# Altium PCB EVK-IRIS-W1.PcbDoc (part 5 of 9)
Units mm, origin at the board's own origin, x right, y up, seen from the top; angles counter-clockwise.
Board outline 94.11 x 129.93 mm, 6 copper layers (L1, L2, L3, L4, L5, L6), stack 1.547 mm thick; 619 components, 422 nets, 2042 pads, 1499 vias.
Unrouted connection lines stored in the file: 4.
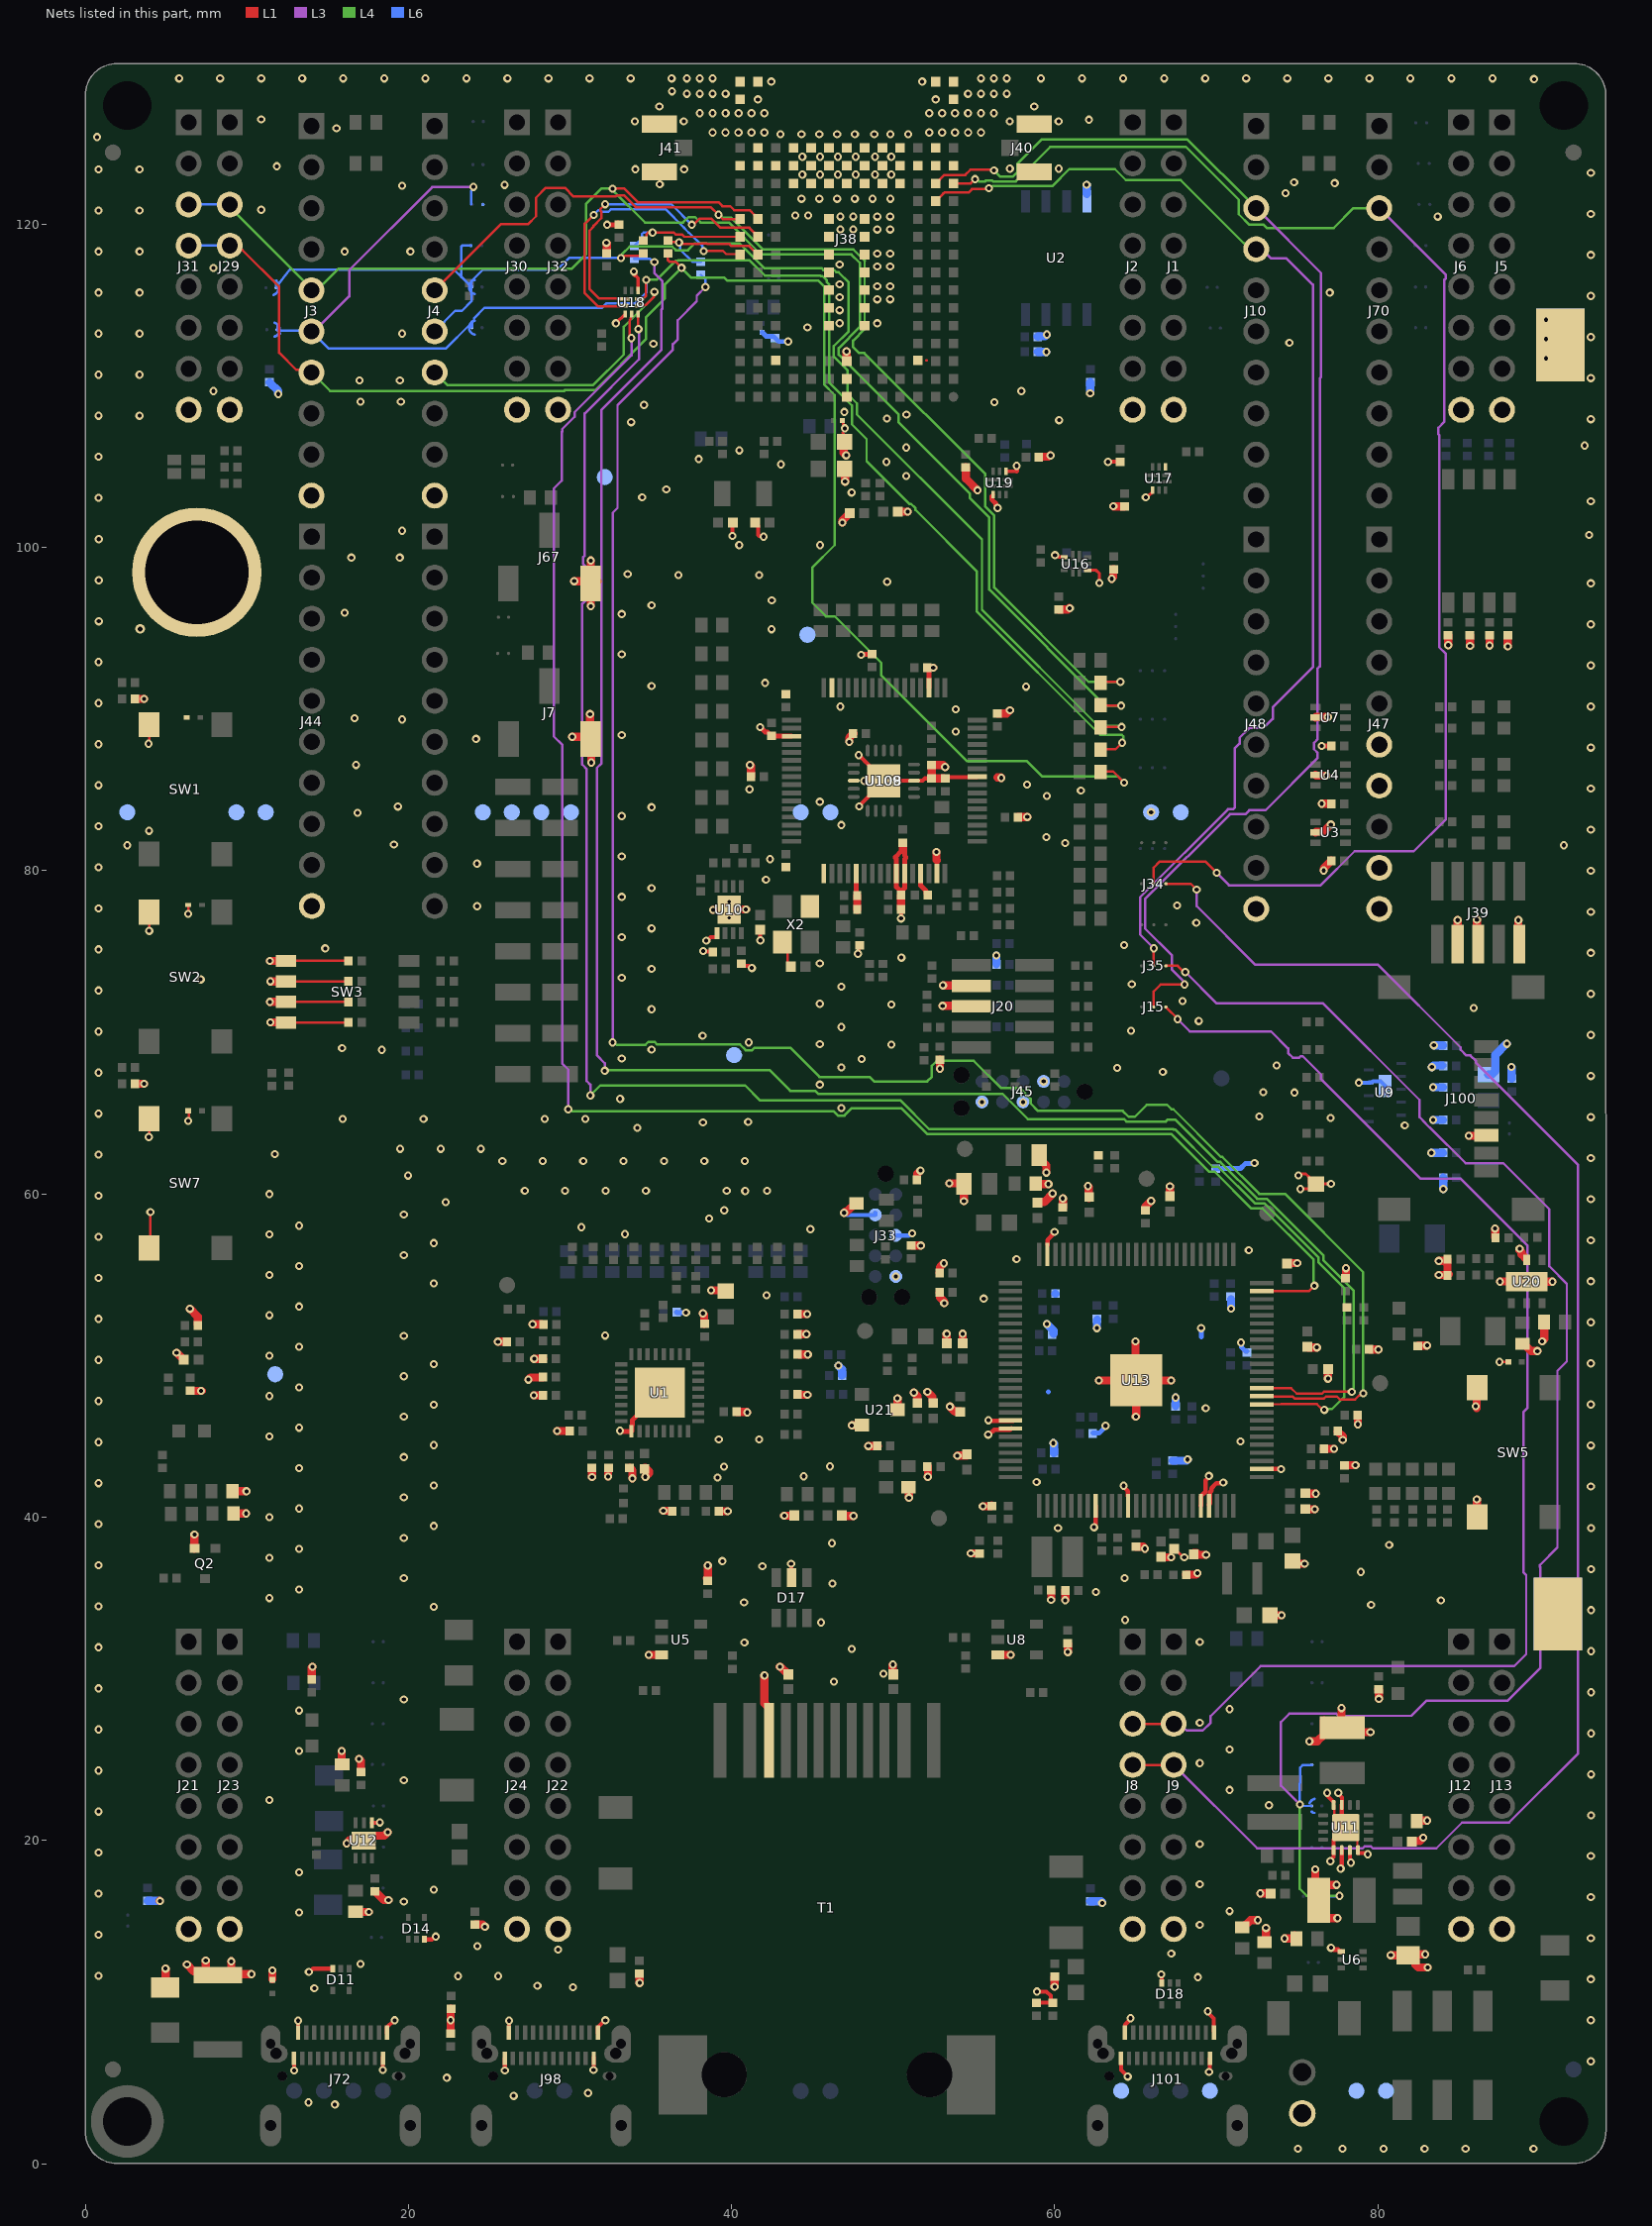
[diagram p9: the nets of this part, all layers, seen from the top]

## Via types
v1: diameter 0.508, hole 0.254, L1 to L6, 992 vias
v2: diameter 0.508, hole 0.254, L1 to L6, tented both sides, 288 vias
v3: diameter 0.5, hole 0.25, L1 to L6, 184 vias
v4: diameter 0.6, hole 0.3, L1 to L6, 27 vias
v5: diameter 0.5, hole 0.3, L1 to L6, 5 vias
v6: diameter 0.5, hole 0.2, L1 to L6, tented top, 2 vias
v7: diameter 0.6, hole 0.3, L1 to L6, tented both sides, 1 vias

## Nets (pads, with @x,y where several pads share a name; then routed paths per layer and width w, separated by ;. In a path a pad name is that pad's centre, name@x,y a point inside that pad or via, vN(x,y) a via of type N, cw(c..) or ccw(c..) an arc to the next point about the centre after c; other vN are vias at no path point) (continued)
GND: C1.2 C2.1 C3.2 C4.1 C5.1 C6.1 C7.1 C8.2 C9.2 C10.2 C11.2 C12.2 C13.2 C14.2 C15.2 C16.2 C17.2 C18.2 C19.1 C20.2 C21.2 C22.1 C23.2 C24.2 C25.2 C26.1 C27.1 C28.2 C29.2 C30.2 C31.2 C32.2 C33.2 C34.2 C35.2 C36.2 C37.2 C38.2 C39.2 C40.2 C41.2 C42.2 C43.2 C44.2 C45.2 C46.1 C47.2 C48.2 C49.2 C50.1 C51.2 C52.2 C53.2 C54.2 C55.2 C56.2 C57.2 C58.2 C59.2 C60.2 C61.2 C62.1 C63.2 C64.2 C65.2 C66.2 C67.2 C68.2 C69.2 C70.2 C71.2 C72.2 C73.2 C74.2 C75.2 C76.2 C77.2 C78.2 C79.2 C80.2 C81.2 C82.2 C83.2 C84.2 C85.2 C86.2 C87.2 C88.2 C89.2 C90.2 C91.2 C92.2 C93.2 C94.2 C95.1 C96.1 C97.2 C98.2 C99.2 C100.2 C101.2 C102.2 C103.2 C104.2 C105.2 C106.2 C107.2 C108.2 C109.2 C110.2 C111.2 C112.2 C113.2 C114.2 D1.2 D11.3 D14.3 D15.2 D17.2 D18.3 D21.2 D22.2 D23.2 FB3.1 J1.8 J2.8 J3.10 J4.10 J5.8 J6.8 J7.1 J8.8 J9.8 J12.8 J13.8 J20.3 J20.5 J21.8 J22.8 J23.8 J24.8 J29.8 J30.8 J31.8 J32.8 J33.3 J33.5 J33.9 J38.A15 J38.A19 J38.A20 J38.B15 J38.B16 J38.B20 J38.C3 J38.C15 J38.D14 J38.D15 J38.D16 J38.E14 J38.E15 J38.E16 J38.F5 J38.F6 J38.F7 J38.F8 J38.F9 J38.F10 J38.F11 J38.F14 J38.F15 J38.F16 J38.G1 J38.G2 J38.G3 J38.G14 J38.G15 J38.G16 J38.H5 J38.H6 J38.H7 J38.H8 J38.H9 J38.H10 J38.H11 J38.H14 J38.H15 J38.H16 J38.J14 J38.J15 J38.J16 J38.K14 J38.K15 J38.K16 J38.L3 J38.L15 J38.M15 J38.M16 J38.M20 J38.N15 J38.N19 J38.N20 J39.3 J39.5 J39.9 J40.2 J41.2 J42.1 J44.10 J45.3 J45.5 J45.9 J47.6 J47.7 J47.9 J47.10 J48.10 J67.1 J72.A1 J72.A12 J72.B1 J72.B12 J98.A1 J98.A12 J98.B1 J98.B12 J100.6 J101.A1 J101.A12 J101.B1 J101.B12 pad.4 Q2.2 R15.1 R27.2 R29.2 R30.2 R31.2 R47.1 R69.1 R80.1 R84.1 R92.2 R95.2 R96.1 R107.2 R109.1 R114.1 R118.1 R127.2 R129.2 R137.1 R150.2 R156.2 R157.2 R158.2 R161.2 R162.2 R163.2 R167.2 R169.2 R170.2 R171.2 R173.2 R180.1 R182.2 R183.1 R185.1 R187.1 R188.1 R189.1 R190.1 R191.1 R192.1 R193.1 R194.1 R195.1 R196.1 R201.1 R203.1 R205.2 R208.1 R212.2 R213.2 R214.2 R215.2 R219.2 R223.2 R228.1 R230.2 R232.1 R234.2 R236.1 R238.2 R240.1 R242.2 R245.1 R247.2 R250.1 R251.1 R253.1 R255.1 R257.1 R274.1 R287.1 R289.1 SW1.3 SW2.3 SW3.5 SW3.6 SW3.7 SW3.8 SW5.3 SW5.4 SW7.3 SW7.4 T1.10 TP2.1 TP4.1 TP6.1 TP7.1 TP8.1 TP9.1 TP10.1 TP11.1 TP12.1 TP13.1 TP14.1 TP15.1 TP16.1 TP18.1 TP19.1 TP20.1 TP21.1 TP24.1 TP33.1 TP101.1 TP102.1 TP103.1 TP104.1 U1.1 U1.33 U2.4 U3.2 U4.2 U5.3 U6.4 U7.2 U8.3 U9.9 U9.11 U10.5 U10.9 U11.5 U11.6 U11.7 U11.8 U11.15 U11.16 U11.EPAD U12.1 U12.7 U13.18 U13.19 U13.33 U13.37 U13.46 U13.47 U13.52 U13.99 U13.101 U16.3 U16.8 U17.3 U17.8 U18.3 U18.8 U19.3 U19.8 U20.2 U20.7 U21.2 U21.3 U108.1 U108.5 U108.10 U108.11 U108.13 U108.15 U108.25 U108.35 U108.47 U108.51 U109.3 U109.13 U109.21 X2.2 X2.4 | length 302.5
  L1 w0.15: v1(3.919,87.845) ccw(c3.919,87.882) 3.956,87.882 SW1.3@3.956,89.027 ccw(c3.956,88.989) SW1.3@3.919,88.989 ; SW7.4@3.956,56.656 4.035,56.735 v1(4.035,58.869) ; SW2.3@3.956,77.423 3.956,76.268 v1(3.959,76.268) ; v1@3.959,63.466 SW7.3@3.959,64.406 ; D1.2@6.321,65.086 cw(c6.382,65.086) D1.2@6.382,65.146 6.415,65.113 6.415,64.54 v1@6.448,64.507 ; v1(6.374,77.323) 6.382,77.323 D22.2@6.382,77.868 ; R15.1@6.975,51.91 R15.1@7.16,52.095 ; X2.2@43.146,75.569 43.463,75.253 43.463,74.263 C37.2@43.673,74.053 ; 46.873,107.082 C103.2@46.94,107.016 ; v1@46.914,107.425 46.914,107.625 ; C70.2@46.914,107.827 46.914,107.625 ; v1@46.971,107.568 46.914,107.625 ; v1(49.986,30.878) 49.986,30.288 C54.2@50.011,30.263 ; U11.16@77.263,22.191 77.298,22.156 77.298,21.507 U11.EPAD@77.763,21.041 ; U11.EPAD@78.013,20.791 78.729,20.075 78.729,19.426 U11.8@78.763,19.391 U11.8@78.762,19.39 ; J100.6@86.703,63.61 J100.6@86.903,63.61 ; v1(87.526,49.598) D15.2@88.071,49.598
  L1 w0.152: SW3.8@12.423,70.601 R213.2@16.3,70.601 ; SW3.7@12.423,71.871 R212.2@16.3,71.87 ; SW3.6@12.423,73.141 R214.2@16.3,73.141 ; SW3.5@12.423,74.411 R215.2@16.3,74.411 ; J38.L3@42.709,111.512 J38.L3@42.709,111.6 ; v1@43.48,112.715 v1(43.497,112.731) ; 52.065,111.562 52.07,111.557
  L1 w0.178: C66.2@67.392,38.079 67.955,37.516 v1(68.02,37.516) ; v1(75.081,61.138) 75.17,61.138 75.259,61.227 75.538,61.227 75.765,61 75.765,60.632 FB3.1@75.782,60.614 ; v1(75.208,60.3) 75.765,60.3 75.782,60.317 FB3.1@75.782,60.614 ; v1@77.086,60.614 FB3.1@75.782,60.614
  L1 w0.2: U19.3@56.096,103.161 U19.3@56.195,103.259 ; U19.8@56.995,104.709 57.649,104.709 ; v1(60.019,99.517) 60.102,99.517 60.22,99.399 60.572,99.399 U16.3@60.586,99.385 ; U16.8@62.036,98.585 62.564,98.585 62.76,98.389 v1(62.76,97.787)
  L1 w0.205: v1@32.864,113.882 U18.3@33.412,114.43 ; v1@34.007,116.865 34.212,116.66 U18.8@34.212,115.88 ; v1(65.632,103.099) 65.69,103.157 65.78,103.157 66.043,103.419 U17.3@66.043,103.533
  L1 w0.25: v1(13.841,11.862) 13.911,11.862 14.109,12.06 15.298,12.06 15.303,12.054 D11.3@15.323,12.054 ; v1@40.05,100.73 v1@40.078,100.759 ; v1@40.062,100.742 40.062,101.521 C73.2@40.074,101.533 ; C74.2@41.46,101.533 41.645,101.348 41.645,100.773 41.708,100.71 41.937,100.71 v1(41.986,100.66) ; v1@43.686,37.135 43.686,36.277 D17.2@43.712,36.251 ; R205.2@58.877,9.95 R203.1@59.881,9.95 59.747,10.085 59.747,10.381 59.485,10.643 v1(58.901,10.643) ; v1@63.341,105.288 C105.2@64.057,105.288 ; v1(76.859,22.936) 76.908,22.887 76.908,22.716 U11.16@77.258,22.366 ; v1@77.085,18.787 77.258,18.96 77.258,19.386 U11.5@77.263,19.391 77.263,20.041 U11.EPAD@78.013,20.791 77.763,21.041 U11.15@77.763,22.191 ; v1(77.545,22.936) 77.545,22.866 77.773,22.638 U11.15@77.773,22 ; v1@77.67,18.305 77.763,18.398 U11.6@77.763,19.391 ; U11.7@78.263,19.391 78.263,18.676 v1(78.325,18.615) v1@78.33,18.61 ; U11.8@78.768,19.216 79.229,19.216 79.302,19.143 v1(79.371,19.143) ; v1@90.778,54.559 v1@90.803,54.534
  L1 w0.254: v1(12.927,5.766) J72.B12@12.926,6.512 ; J72.A1@13.181,8.077 13.178,8.08 13.178,8.837 v1(13.181,8.839) ; U12.1@17.746,21.089 v1@18.221,21.089 ; v1(18.413,5.791) 18.42,5.797 18.42,6.577 J72.B1@18.418,6.579 ; J72.A12@18.668,8.052 18.668,8.419 19.113,8.865 v1(19.15,8.865) ; D14.3@20.993,13.868 21.443,13.868 21.621,14.046 v1(21.69,14.046) ; v1(25.972,5.766) J98.B12@25.971,6.512 ; J98.A1@26.226,8.077 26.223,8.08 26.223,8.837 v1(26.226,8.839) ; v1(31.458,5.791) 31.464,5.797 31.464,6.577 J98.B1@31.463,6.579 ; J98.A12@31.713,8.052 31.713,8.419 32.158,8.865 v1(32.195,8.865) ; v1(38.248,75.027) 38.28,74.994 38.817,74.994 R114.1@38.849,74.962 ; v1(38.435,75.67) 38.504,75.67 38.713,75.879 39.072,75.879 39.095,75.902 U10.5@39.095,76.127 ; C41.2@40.604,74.231 40.737,74.098 41.056,74.098 41.185,73.968 v1(41.254,73.968) ; C36.2@41.733,76.323 41.77,76.286 41.77,75.692 v1(41.779,75.683) ; v1(47.821,74.854) 47.87,74.903 47.87,75.417 R84.1@47.933,75.48 ; v1@47.876,87.141 47.893,87.141 48.239,86.795 48.239,86.778 U109.21@49.457,85.559 ; v1(47.894,83.966) 47.894,83.996 48.961,85.063 U109.21@49.457,85.559 ; C31.2@50.491,77.621 50.492,77.62 v1@50.492,77.034 ; C1.2@52.378,85.705 51.966,85.705 51.82,85.559 U109.13@51.291,85.559 U109.21@49.457,85.559 ; C38.2@53.115,85.705 53.196,85.786 55.184,85.786 U108.25@55.207,85.809 ; J101.B12@64.102,6.512 64.102,5.799 v1(64.516,5.385) ; J101.A1@64.359,8.129 64.359,8.597 64.694,8.932 v1(64.694,8.992) ; v1(66.597,11.709) 66.614,11.693 66.614,11.218 D18.3@66.623,11.209 ; v1(69.469,9.423) 69.469,9.355 69.843,8.98 69.843,8.177 J101.A12@69.847,8.173 ; v1(69.545,5.664) 69.593,5.712 69.593,6.503 J101.B1@69.602,6.512 ; v1(50.491,77.033) v1@50.492,77.034
  L1 w0.277: v1(55.876,45.102) 55.939,45.102 56.158,45.321 56.179,45.321 56.259,45.401 57.239,45.401 U13.19@57.321,45.483 ; v1(55.902,45.991) 55.927,45.965 U13.18@57.448,45.965 ; U13.99@59.544,56.839 59.544,57.15 59.991,57.597 v1(59.991,57.649) ; v1(62.432,39.37) 62.432,39.433 62.541,39.542 U13.33@62.541,40.702 ; v1(64.26,41.935) 64.26,41.873 64.537,41.596 U13.37@64.537,41.289 ; U13.46@69.041,40.702 69.044,40.706 69.044,41.289 69.324,41.569 69.324,42.263 69.544,42.482 v1(69.544,42.545) ; U13.47@69.541,40.702 69.544,40.706 69.544,40.814 69.591,40.814 69.617,40.84 69.617,41.547 69.696,41.626 69.696,41.795 69.996,42.094 70.388,42.094 v1(70.433,42.139) ; U13.52@73.402,42.974 73.408,42.968 v1(74.012,42.968)
  L1 w0.3: v1(77.093,13.352) 77.149,13.352 77.265,13.236 77.536,13.236 77.657,13.115 U6.4@77.732,13.115
  L1 w0.305: v1@32.331,119.956 32.919,119.956 32.959,119.995 32.959,120.057 R255.1@33.042,119.975 ; v1(33.095,45.339) 33.129,45.305 U1.1@33.802,45.305 33.825,45.328 33.825,45.66 33.85,45.685 33.85,45.988 U1.33@35.552,47.69 ; v1@34.007,116.865 v1@34.007,117.06 ; v1(41.762,88.878) 41.766,88.878 42.072,88.572 42.22,88.572 42.457,88.334 C60.2@42.472,88.334 42.497,88.309 U108.51@43.707,88.309 ; U108.5@47.707,79.809 47.707,78.532 47.775,78.465 C10.2@47.775,78.447 ; v1(48.016,93.344) 48.041,93.369 48.683,93.369 C21.2@48.707,93.393 ; C14.2@50.492,78.698 50.207,78.983 U108.10@50.207,79.809 50.205,79.812 50.205,80.715 50.14,80.78 50.14,80.835 50.492,81.187 50.492,81.623 50.6,81.73 50.615,81.73 50.723,81.623 50.723,80.942 50.775,80.835 50.775,80.78 50.71,80.715 50.71,79.812 U108.11@50.707,79.809 50.707,78.918 C14.2@50.492,78.703 ; U108.13@51.707,79.809 51.71,79.807 51.71,79.069 52.036,78.743 52.036,78.58 C35.2@52.143,78.473 ; C33.2@52.107,92.544 52.207,92.444 U108.35@52.207,91.309 ; U19.3@56.096,103.161 56.096,102.959 56.361,102.694 56.361,102.595 56.463,102.493 v1(56.463,102.438) ; 57.649,104.709 v1(57.649,105.035) ; v1@76.669,87.711 C75.2@77.107,87.711 C75.2@77.107,87.726 ; C76.2@77,84.237 77.095,84.142 C76.2@77.107,84.13 ; C77.2@77.107,80.607 C77.2@77.107,80.622
  L1 w0.406: C14.2@50.492,78.473 50.492,78.698 C14.2@50.492,78.703
  L1 w0.5: v1(85.617,63.593) J100.6@86.833,63.593
  L1 w0.501: C106.2@32.28,118.182 v1@32.28,118.813 ; v2(52.895,67.742) v2(52.895,67.742) 52.896,68.301 R118.1@52.902,68.307 ; R257.1@54.479,104.951 54.494,104.951 54.504,104.941 54.504,104.244 v1(55.218,103.53) ; C107.2@59.02,105.579 59.02,105.594 59.029,105.604 59.609,105.604 v1@59.712,105.706 ; R251.1@60.245,96.137 60.255,96.146 60.794,96.146 v1@60.906,96.257 ; v1(62.197,109.531) v1@62.199,109.532 ; v1(63.521,98.052) 63.521,98.054 63.623,98.156 63.623,98.633 63.633,98.642 C104.2@63.648,98.642 ; v1(63.625,102.54) 63.627,102.54 63.643,102.524 64.302,102.524 R253.1@64.311,102.514 ; v2(84.35,93.946) R31.2@84.35,94.55 ; J39.3@84.936,75.444 v2(84.936,76.937) ; v2(85.696,93.895) R30.2@85.696,94.55 ; v2(86.13,76.962) 86.131,76.961 86.131,75.519 J39.5@86.206,75.444 ; v2(86.915,93.921) R29.2@86.915,94.55 ; v2(88.033,93.87) R27.2@88.033,94.55 ; v2(88.695,76.937) 88.697,76.935 88.697,75.493 J39.9@88.746,75.444
  L1 w0.508: R129.2@3.097,66.814 v1(3.646,66.814) ; R127.2@3.097,90.626 v1(3.646,90.626) ; v1@4.619,16.251 v1(4.622,16.248) ; v1(4.972,12.068) 4.972,11.274 4.975,11.271 R137.1@4.997,11.271 ; v1(5.649,50.169) 5.677,50.169 C9.2@6.108,49.738 ; v1(6.298,12.319) 6.712,11.905 7.092,11.905 C50.1@7.165,11.831 ; v1(6.482,52.886) 6.969,52.399 6.969,51.931 R15.1@6.981,51.931 ; C8.2@6.507,47.813 6.513,47.807 7.159,47.807 v1(7.163,47.803) v1@7.211,47.803 ; Q2.2@6.763,38.051 v1(6.763,38.915) ; C50.1@7.461,11.768 v1(7.461,12.562) ; C50.1@9.036,11.717 v1(9.036,12.511) ; R107.2@9.092,40.225 v1(9.956,40.225) ; R109.1@9.115,41.597 v1(9.979,41.597) ; C50.1@9.342,11.726 9.347,11.721 v1(10.285,11.721) ; v1(11.431,71.873) SW3.7@12.455,71.873 ; v1(11.431,74.413) SW3.5@12.455,74.413 ; v1(11.456,73.144) SW3.6@12.48,73.144 ; v1(11.463,70.604) SW3.8@12.488,70.604 ; D23.2@11.582,11.405 v1(11.582,11.954) ; 14.026,30.212 14.026,30.69 v1(14.07,30.734) ; C19.1@15.873,24.816 v1(15.873,25.527) ; v1(16.178,19.812) 16.4,20.034 U12.7@16.719,20.034 ; v1(16.94,25.044) 17.067,24.917 C29.2@17.067,24.225 ; C22.1@17.023,15.538 17.055,15.57 v1(17.55,15.57) ; U12.7@17.243,19.986 17.539,20.282 18.502,20.282 v1(18.718,20.498) ; C17.2@17.941,16.841 18.475,16.307 v1(18.769,16.307) ; R95.2@22.612,8.037 22.612,9.568 22.618,9.574 R96.1@22.631,9.574 ; C46.1@24.167,14.808 24.586,14.808 v1(24.738,14.656) ; v1(25.545,50.851) R161.2@26.094,50.851 ; v1(27.428,48.505) 27.56,48.637 28.318,48.637 R169.2@28.318,48.649 ; v1(27.691,51.926) R173.2@28.24,51.926 ; v1(27.766,47.532) R170.2@28.315,47.532 ; v1(27.785,49.792) R162.2@28.334,49.792 ; v1(29.206,45.33) C42.2@29.9,45.33 ; v2(30.137,88.278) J7.1@31.315,88.278 ; v2(30.263,97.904) J67.1@31.289,97.904 ; v2(31.238,89.679) 31.238,88.427 J7.1@31.289,88.376 ; v2(31.289,96.359) J67.1@31.289,97.904 ; v2(31.289,99.178) J67.1@31.289,97.904 ; v2(31.315,86.682) J7.1@31.315,88.035 ; v1(31.367,42.475) C12.2@31.367,42.976 ; J67.1@31.695,97.904 J67.1@31.289,97.904 ; v1(32.358,42.501) C11.2@32.358,43.002 ; C23.2@33.684,43.051 33.699,43.051 33.857,42.894 v1(33.857,42.393) ; C7.1@34.294,11.741 34.308,11.741 34.314,11.735 v1(34.314,11.176) ; C15.2@34.617,43.051 34.623,43.045 34.671,43.045 34.89,42.826 34.89,42.715 v1(34.669,42.494) ; v1(34.873,31.471) 35.679,31.471 U5.3@35.681,31.469 ; v1(35.773,40.386) C26.1@36.274,40.386 ; v1(38.225,52.603) 38.304,52.525 38.304,51.957 38.31,51.951 C25.2@38.325,51.951 ; C39.2@38.466,36.2 38.53,36.264 v1(38.53,37.008) ; v1(38.733,54.026) C69.2@39.495,54.026 ; v1(38.857,77.567) 39.795,77.567 39.845,77.617 39.87,77.592 v1(40.889,77.592) ; C27.1@39.262,40.361 v1(39.763,40.361) ; R150.2@40.325,46.524 40.325,46.509 40.331,46.503 40.937,46.503 v1(40.967,46.473) ; v1(41.144,86.529) 41.203,86.471 41.203,85.819 C28.2@41.209,85.813 ; v1(42.035,30.201) 42.035,28.477 42.332,28.181 T1.10@42.332,26.186 ; v1@42.975,30.734 v1(42.995,30.734) 43.037,30.734 C55.2@43.509,30.263 ; v1(43.261,40.089) C52.2@43.81,40.089 ; R171.2@44.086,51.318 v1(44.635,51.318) ; R163.2@44.136,52.555 v1(44.685,52.555) ; R158.2@44.143,47.569 v1(44.692,47.569) ; R157.2@44.168,50.058 v1(44.717,50.058) ; v1(46.861,101.524) 46.861,101.659 C68.2@47.305,102.103 47.32,102.118 C68.2@47.344,102.118 ; C103.2@46.927,106.274 46.927,105.853 v1(47.09,105.689) ; v1(46.963,58.826) 47.028,58.891 47.129,58.891 47.674,59.436 R182.2@47.884,59.436 ; C102.2@46.963,104.623 47.007,104.623 47.025,104.604 v1(47.025,104.064) ; C62.1@46.992,40.073 v1(47.541,40.073) ; v1(47.115,112.116) 47.115,111.528 J38.G3@47.131,111.512 ; v1(47.289,87.963) 47.289,88.22 C34.2@47.543,88.474 ; v1(47.446,45.669) U21.2@48.024,45.669 ; C30.2@47.775,77.584 C10.2@47.775,78.447 ; v1(48.462,44.399) C92.2@49.027,44.399 C92.2@49.04,44.399 ; U109.21@48.961,84.798 48.961,85.063 U109.21@48.961,85.515 ; C54.2@49.972,30.268 v1@49.972,30.851 ; U21.3@50.265,46.767 v1(50.265,47.346) ; C67.2@50.331,102.21 v1(50.9,102.21) ; C31.2@50.492,77.609 C14.2@50.492,78.473 ; R196.1@50.925,41.873 50.976,41.822 v1(50.976,41.199) ; R183.1@51.16,56.794 v1(51.713,56.794) ; v1(51.281,47.701) 51.495,47.487 C88.2@51.495,47.128 ; C91.2@51.478,60.858 51.484,60.864 51.484,61.239 v1@51.662,61.417 ; C33.2@52.104,92.544 C33.2@52.107,92.544 v1(52.482,92.544) ; v1(52.119,47.752) 52.435,47.436 C87.2@52.435,47.179 ; v1(52.145,42.494) 52.151,42.501 R192.1@52.151,43.126 ; v1(52.684,81.157) 52.684,80.654 52.707,80.631 ; R193.1@52.886,53.883 52.892,53.877 52.892,53.586 53.161,53.317 v1(53.161,53.238) ; R191.1@52.886,55.109 52.892,55.115 52.892,55.459 v1(53.135,55.702) ; v1(53.059,71.628) 54.817,71.628 J20.5@54.843,71.603 ; v1(53.084,72.898) 54.817,72.898 J20.3@54.843,72.873 ; C38.2@53.115,85.705 C1.2@52.378,85.705 R92.2@52.378,86.531 52.384,86.525 53.098,86.525 v1(53.218,86.405) ; C65.2@53.313,50.761 v1(53.313,51.34) ; v1(53.474,60.653) C43.2@54.362,60.653 ; v1(53.516,46.838) 53.822,46.531 C63.2@54.149,46.531 ; v1(53.973,43.79) 53.986,43.803 54.561,43.803 C59.2@54.567,43.809 ; C64.2@54.304,50.761 v1(54.304,51.34) ; v1(54.382,59.546) C43.2@54.382,60.434 ; v1(54.806,37.751) R195.1@55.345,37.751 ; v1(55.548,40.665) 56.061,40.665 R180.1@56.101,40.705 ; 56.443,85.754 56.672,85.754 v1(56.697,85.729) ; C20.2@56.469,89.716 57.027,89.716 v1(57.225,89.915) ; U8.3@56.474,31.467 v1(57.281,31.467) ; C13.2@57.731,83.309 57.737,83.316 v1(58.298,83.316) ; C45.2@58.816,60.63 58.841,60.604 v1(59.614,60.604) ; C48.2@58.957,59.455 58.957,59.481 58.974,59.499 59.346,59.499 v1(59.868,60.02) ; C44.2@59.044,62.392 59.044,62.192 59.487,61.75 v1(59.487,61.316) ; v1@59.785,34.904 C90.2@59.785,35.487 ; v1(59.993,10.937) C96.1@59.993,11.52 ; C94.2@60.503,59.15 v1(60.503,59.715) ; v1@60.662,34.878 C89.2@60.662,35.462 ; C40.2@60.794,32.177 60.806,32.165 v1(60.806,31.648) ; v1(62.052,60.477) 62.107,60.422 62.107,59.74 62.113,59.734 C58.2@62.128,59.734 ; v1(62.734,48.455) U13.101@64.972,48.455 ; v1@64.995,50.842 64.995,48.523 U13.101@65.041,48.477 65.041,46.24 v1(65.02,46.219) ; C93.2@65.028,38.164 65.466,38.164 v1(65.581,38.049) ; U13.101@65.043,48.455 v1(67.205,48.455) ; R188.1@65.622,58.972 65.628,58.978 65.628,59.227 v1(65.964,59.563) ; C78.2@66.654,37.548 66.733,37.548 66.765,37.516 v1(67.207,37.516) ; C49.2@67.129,59.884 v1(67.129,60.467) ; R201.1@68.139,36.424 68.139,36.439 68.145,36.445 68.752,36.445 v1(68.832,36.525) ; C57.2@68.604,37.776 68.61,37.77 68.786,37.77 68.888,37.668 v1(69.366,37.668) ; C83.2@71.685,14.635 72.113,15.062 v1(72.566,15.062) ; v1(72.719,16.716) 73.358,16.716 C111.2@73.361,16.713 ; C95.1@73.023,13.787 73.034,13.787 73.074,13.827 v1(73.074,14.58) ; C79.2@73.456,33.925 v1(74.039,33.925) ; v1(74.225,13.925) C82.2@74.964,13.925 ; C51.2@74.419,55.719 v1(75.003,55.719) ; C80.2@74.776,37.118 v1@75.442,37.118 ; C82.2@74.843,14.111 74.964,13.99 C82.2@74.964,13.925 ; C82.2@74.964,13.915 C82.2@74.964,13.925 ; C82.2@74.97,13.925 C82.2@74.964,13.925 ; C86.2@75.538,40.513 75.538,40.501 75.551,40.488 v1(76.097,40.488) ; C81.2@75.538,41.453 v1(76.148,41.453) ; C53.2@75.64,50.528 75.673,50.495 v1(76.224,50.495) ; v1(75.765,26.128) 76.255,26.128 76.661,26.533 C110.2@76.661,27.405 ; v1(76.12,18.203) 76.12,17.439 76.143,17.416 C108.2@76.298,17.416 ; U3.2@76.136,82.362 76.182,82.408 76.647,82.408 v1(77.085,82.846) ; U4.2@76.136,85.918 76.182,85.872 76.828,85.872 v1(76.831,85.869) ; U7.2@76.136,89.474 76.163,89.501 v1(76.908,89.501) ; C108.2@76.298,15.381 76.298,16.753 76.792,17.247 v1(77.443,17.247) ; C108.2@76.325,15.408 76.543,15.189 v1(77.494,15.189) ; v1(76.521,84.142) 77.095,84.142 77.101,84.142 77.107,84.136 C76.2@77.107,84.13 ; v1(76.648,80.001) 76.648,80.133 77.107,80.592 C77.2@77.107,80.607 ; R228.1@76.661,44.221 v1(77.291,44.221) ; v1(76.91,48.565) 76.91,49.131 C56.2@76.927,49.149 ; R187.1@77.513,45.314 77.513,45.299 77.824,44.987 v1(77.824,44.78) ; C110.2@77.746,27.601 v1(77.746,28.185) ; R194.1@77.99,43.205 v1(78.611,43.205) ; R189.1@77.997,54.786 78.012,54.786 78.018,54.792 78.018,55.387 v1(78.029,55.397) ; C110.2@78.664,26.966 78.943,26.687 v1(79.544,26.687) ; R185.1@78.757,46.318 78.763,46.312 v1@78.763,45.743 ; R190.1@79.5,50.373 v1@80.029,50.373 ; R80.1@80.033,29.337 80.059,29.31 v1(80.059,28.753) ; v1(80.795,12.895) C16.2@81.378,12.895 ; C16.2@81.911,12.742 82.155,12.742 82.332,12.566 82.332,12.292 82.491,12.133 v1(83.08,12.133) ; C18.2@82.165,19.956 82.597,19.956 v1(82.8,20.159) ; C16.2@82.343,12.945 v1(82.927,12.945) ; C109.2@82.47,21.226 v1(83.054,21.226) ; R289.1@82.517,50.618 v1(83.041,50.618) ; v1(83.766,54.982) 84.151,54.982 84.186,55.017 R287.1@84.305,55.017 ; v1(83.766,55.846) 84.096,55.846 R274.1@84.15,55.792 ; R287.1@84.305,54.943 R287.1@84.305,55.017 ; R274.1@84.305,55.948 R287.1@84.305,55.017 ; R287.1@84.373,55.017 R287.1@84.305,55.017 ; SW5.3@86.097,47.911 86.112,47.897 v1@86.112,46.731 ; v1(86.122,41.102) 86.122,39.937 SW5.4@86.137,39.922 ; v1(87.245,57.853) 87.271,57.827 87.271,57.3 R208.1@87.265,57.294 ; v1@87.552,54.585 89.191,54.585 U20.7@89.209,54.566 ; v1(88.769,56.608) 88.769,56.508 88.888,56.389 88.888,56.259 U20.2@89.18,55.967 ; C98.2@89.024,50.727 89.485,50.267 v1(89.864,50.267) ; U20.7@89.209,54.559 v1@90.778,54.559 ; v1(90.168,50.876) 90.295,51.003 C97.2@90.295,51.972